# Altium PCB OctopusPB_r0101.PcbDoc (part 6 of 11)
Units mm, origin at the board's own origin, x right, y up, seen from the top; angles counter-clockwise.
Board outline 318 x 80 mm, 4 copper layers (Top Layer, Layer 1, Layer 2, Bottom Layer), stack 1.567 mm thick; 1067 components, 459 nets, 3580 pads, 4392 vias.
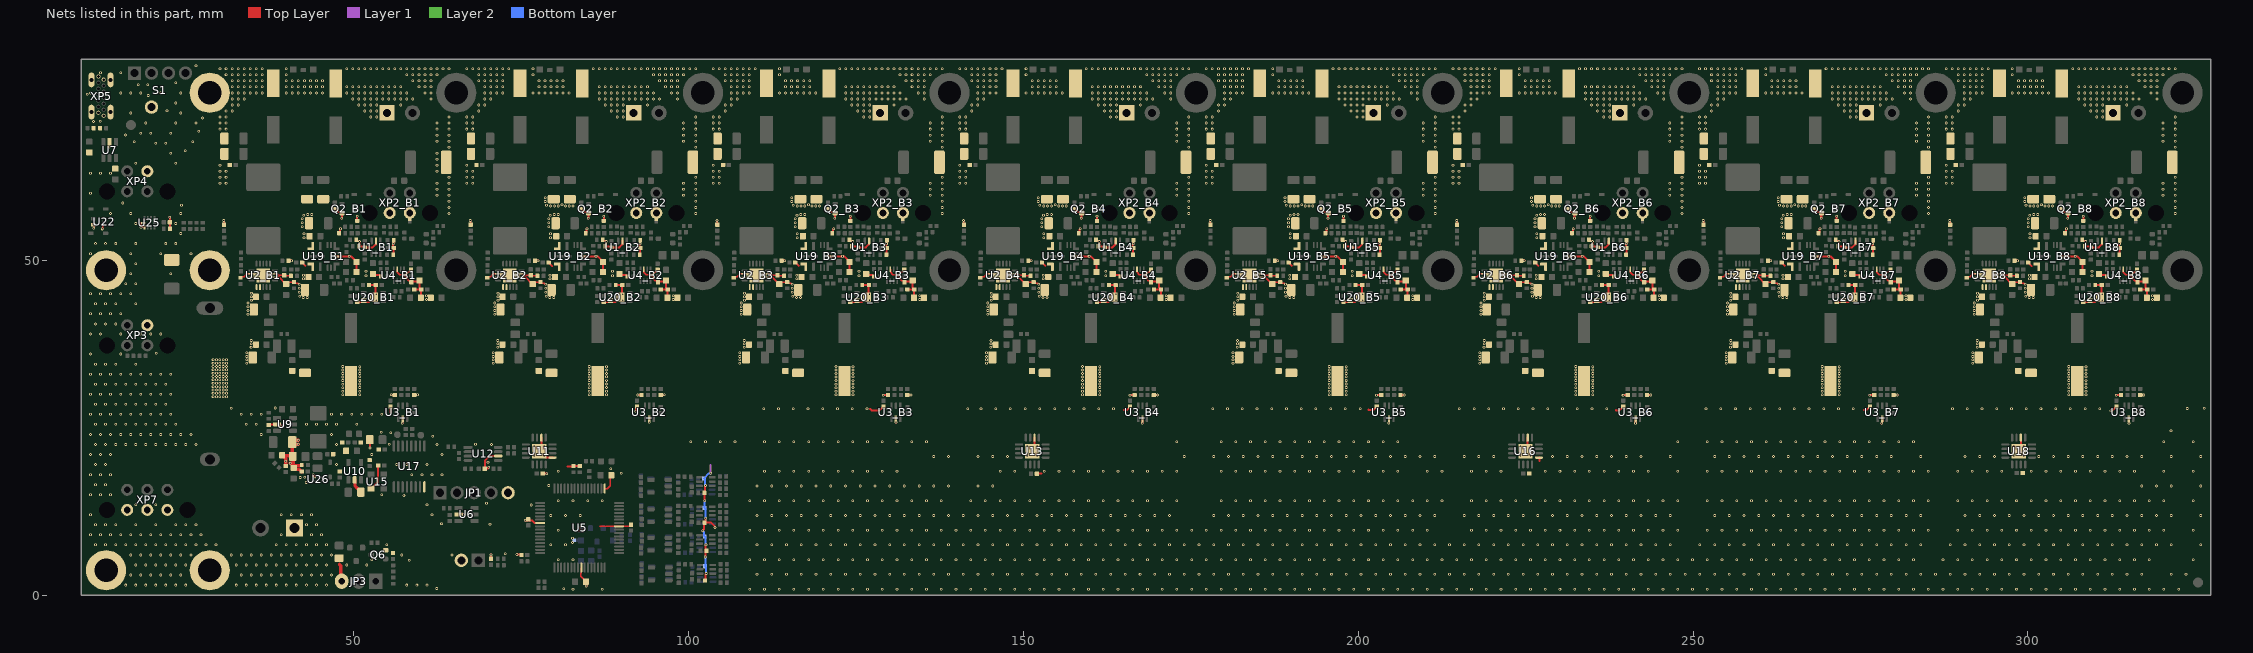
[diagram p8: the nets of this part, all layers, seen from the top]

## Via types
v1: diameter 0.4, hole 0.2, Top Layer to Bottom Layer, tented both sides, 4332 vias
v2: diameter 0.5, hole 0.2, Top Layer to Bottom Layer, tented both sides, 59 vias
v3: diameter 0.4, hole 0.2, Top Layer to Bottom Layer, 1 vias

## Nets (pads, with @x,y where several pads share a name; then routed paths per layer and width w, separated by ;. In a path a pad name is that pad's centre, name@x,y a point inside that pad or via, vN(x,y) a via of type N, cw(c..) or ccw(c..) an arc to the next point about the centre after c; other vN are vias at no path point) (continued)
DGND: C3_B1.2 C3_B2.2 C3_B3.2 C3_B4.2 C3_B5.2 C3_B6.2 C3_B7.2 C3_B8.2 C4_B1.2 C4_B2.2 C4_B3.2 C4_B4.2 C4_B5.2 C4_B6.2 C4_B7.2 C4_B8.2 C5_B1.2 C5_B2.2 C5_B3.2 C5_B4.2 C5_B5.2 C5_B6.2 C5_B7.2 C5_B8.2 C6_B1.2 C6_B2.2 C6_B3.2 C6_B4.2 C6_B5.2 C6_B6.2 C6_B7.2 C6_B8.2 C7_B1.2 C7_B2.2 C7_B3.2 C7_B4.2 C7_B5.2 C7_B6.2 C7_B7.2 C7_B8.2 C8_B1.2 C8_B2.2 C8_B3.2 C8_B4.2 C8_B5.2 C8_B6.2 C8_B7.2 C8_B8.2 C9_B1.2 C9_B2.2 C9_B3.2 C9_B4.2 C9_B5.2 C9_B6.2 C9_B7.2 C9_B8.2 C10_B1.2 C10_B2.2 C10_B3.2 C10_B4.2 C10_B5.2 C10_B6.2 C10_B7.2 C10_B8.2 C11_B1.2 C11_B2.2 C11_B3.2 C11_B4.2 C11_B5.2 C11_B6.2 C11_B7.2 C11_B8.2 C13_B1.2 C13_B2.2 C13_B3.2 C13_B4.2 C13_B5.2 C13_B6.2 C13_B7.2 C13_B8.2 C14_B1.2 C14_B2.2 C14_B3.2 C14_B4.2 C14_B5.2 C14_B6.2 C14_B7.2 C14_B8.2 C15_B1.2 C15_B2.2 C15_B3.2 C15_B4.2 C15_B5.2 C15_B6.2 C15_B7.2 C15_B8.2 C16_B1.2 C16_B2.2 C16_B3.2 C16_B4.2 C16_B5.2 C16_B6.2 C16_B7.2 C16_B8.2 C17_B1.2 C17_B2.2 C17_B3.2 C17_B4.2 C17_B5.2 C17_B6.2 C17_B7.2 C17_B8.2 C18_B1.2 C18_B2.2 C18_B3.2 C18_B4.2 C18_B5.2 C18_B6.2 C18_B7.2 C18_B8.2 C19_B1.2 C19_B2.2 C19_B3.2 C19_B4.2 C19_B5.2 C19_B6.2 C19_B7.2 C19_B8.2 C20_B1.2 C20_B2.2 C20_B3.2 C20_B4.2 C20_B5.2 C20_B6.2 C20_B7.2 C20_B8.2 C23_B1.2 C23_B2.2 C23_B3.2 C23_B4.2 C23_B5.2 C23_B6.2 C23_B7.2 C23_B8.2 C25_B1.2 C25_B2.2 C25_B3.2 C25_B4.2 C25_B5.2 C25_B6.2 C25_B7.2 C25_B8.2 C26_B1.2 C26_B2.2 C26_B3.2 C26_B4.2 C26_B5.2 C26_B6.2 C26_B7.2 C26_B8.2 C27_B1.2 C27_B2.2 C27_B3.2 C27_B4.2 C27_B5.2 C27_B6.2 C27_B7.2 C27_B8.2 C28_B1.2 C28_B2.2 C28_B3.2 C28_B4.2 C28_B5.2 C28_B6.2 C28_B7.2 C28_B8.2 C29_B1.2 C29_B2.2 C29_B3.2 C29_B4.2 C29_B5.2 C29_B6.2 C29_B7.2 C29_B8.2 C30_B1.2 C30_B2.2 C30_B3.2 C30_B4.2 C30_B5.2 C30_B6.2 C30_B7.2 C30_B8.2 C31_B1.2 C31_B2.2 C31_B3.2 C31_B4.2 C31_B5.2 C31_B6.2 C31_B7.2 C31_B8.2 C32_B1.2 C32_B2.2 C32_B3.2 C32_B4.2 C32_B5.2 C32_B6.2 C32_B7.2 C32_B8.2 C33_B1.2 C33_B2.2 C33_B3.2 C33_B4.2 C33_B5.2 C33_B6.2 C33_B7.2 C33_B8.2 C34_B1.2 C34_B2.2 C34_B3.2 C34_B4.2 C34_B5.2 C34_B6.2 C34_B7.2 C34_B8.2 C35_B1.2 C35_B2.2 C35_B3.2 C35_B4.2 C35_B5.2 C35_B6.2 C35_B7.2 C35_B8.2 C36.2 C37.2 C38.2 C39.2 C40.2 C41.2 C42.2 C49.2 C50.2 C51.2 C52.2 C53.2 C54.2 C55.2 C56.2 C57.2 C59.2 C60.2 C61.2 C62.2 C63.2 C64.2 C65.2 C66.2 C67_B1.2 C67_B2.2 C67_B3.2 C67_B4.2 C67_B5.2 C67_B6.2 C67_B7.2 C67_B8.2 C68_B1.2 C68_B2.2 C68_B3.2 C68_B4.2 C68_B5.2 C68_B6.2 C68_B7.2 C68_B8.2 C69_B1.2 C69_B2.2 C69_B3.2 C69_B4.2 C69_B5.2 C69_B6.2 C69_B7.2 C69_B8.2 C72_B1.2 C72_B2.2 C72_B3.2 C72_B4.2 C72_B5.2 C72_B6.2 C72_B7.2 C72_B8.2 C73.2 C74_B1.1 C74_B2.1 C74_B3.1 C74_B4.1 C74_B5.1 C74_B6.1 C74_B7.1 C74_B8.1 C75.2 C76.2 C77_B1.2 C77_B2.2 C77_B3.2 C77_B4.2 C77_B5.2 C77_B6.2 C77_B7.2 C77_B8.2 C83.2 D4.2 JP1.5 JP2.2 JP3.3 MH2.0 MH3.0 MH5.0 MH6.0 MH7.0 Q2_B1.2 Q2_B2.2 Q2_B3.2 Q2_B4.2 Q2_B5.2 Q2_B6.2 Q2_B7.2 Q2_B8.2 Q6.2 R3_B1.2 R3_B2.2 R3_B3.2 R3_B4.2 R3_B5.2 R3_B6.2 R3_B7.2 R3_B8.2 R9_B1.1 R9_B2.1 R9_B3.1 R9_B4.1 R9_B5.1 R9_B6.1 R9_B7.1 R9_B8.1 R11_B1.1 R11_B2.1 R11_B3.1 R11_B4.1 R11_B5.1 R11_B6.1 R11_B7.1 R11_B8.1 R13_B1.2 R13_B2.2 R13_B3.2 R13_B4.2 R13_B5.2 R13_B6.2 R13_B7.2 R13_B8.2 R15_B1.1 R15_B2.1 R15_B3.1 R15_B4.1 R15_B5.1 R15_B6.1 R15_B7.1 R15_B8.1 R16_B1.1 R16_B2.1 R16_B3.1 R16_B4.1 R16_B5.1 R16_B6.1 R16_B7.1 R16_B8.1 R17.1 R22_B1.1 R22_B2.1 R22_B3.1 R22_B4.1 R22_B5.1 R22_B6.1 R22_B7.1 R22_B8.1 R26_B1.2 R26_B2.2 R26_B3.2 R26_B4.2 R26_B5.2 R26_B6.2 R26_B7.2 R26_B8.2 R33.2 R37.1 R39.1 R40.1 R45.1 R54.1 R58_B1.2 R58_B2.2 R58_B3.2 R58_B4.2 R58_B5.2 R58_B6.2 R58_B7.2 R58_B8.2 R61_S1.2 R61_S2.2 R61_S3.2 R61_S4.2 R61_S5.2 R61_S6.2 R61_S7.2 R61_S8.2 R64.1 R66_B1.1 R66_B2.1 R66_B3.1 R66_B4.1 R66_B5.1 R66_B6.1 R66_B7.1 R66_B8.1 R67_B1.1 R67_B2.1 R67_B3.1 R67_B4.1 R67_B5.1 R67_B6.1 R67_B7.1 R67_B8.1 R68.1 R69.1 R73.2 R74_B1.2 R74_B2.2 R74_B3.2 R74_B4.2 R74_B5.2 R74_B6.2 R74_B7.2 R74_B8.2 R86.1 R90_B1.1 R90_B2.1 R90_B3.1 R90_B4.1 R90_B5.1 R90_B6.1 R90_B7.1 R90_B8.1 R91_B1.1 R91_B2.1 R91_B3.1 R91_B4.1 R91_B5.1 R91_B6.1 R91_B7.1 R91_B8.1 R95_B1.1 R95_B2.1 R95_B3.1 R95_B4.1 R95_B5.1 R95_B6.1 R95_B7.1 R95_B8.1 R98_B1.1 R98_B2.1 R98_B3.1 R98_B4.1 R98_B5.1 R98_B6.1 R98_B7.1 R98_B8.1 R99_B1.1 R99_B2.1 R99_B3.1 R99_B4.1 R99_B5.1 R99_B6.1 R99_B7.1 R99_B8.1 R103_B1.1 R103_B2.1 R103_B3.1 R103_B4.1 R103_B5.1 R103_B6.1 R103_B7.1 R103_B8.1 S1.C U1_B1.2 U1_B2.2 U1_B3.2 U1_B4.2 U1_B5.2 U1_B6.2 U1_B7.2 U1_B8.2 U2_B1.2 U2_B1.3 U2_B1.15 U2_B2.2 U2_B2.3 U2_B2.15 U2_B3.2 U2_B3.3 U2_B3.15 U2_B4.2 U2_B4.3 U2_B4.15 U2_B5.2 U2_B5.3 U2_B5.15 U2_B6.2 U2_B6.3 U2_B6.15 U2_B7.2 U2_B7.3 U2_B7.15 U2_B8.2 U2_B8.3 U2_B8.15 U3_B1.2 U3_B2.2 U3_B3.2 U3_B4.2 U3_B5.2 U3_B6.2 U3_B7.2 U3_B8.2 U4_B1.3 U4_B2.3 U4_B3.3 U4_B4.3 U4_B5.3 U4_B6.3 U4_B7.3 U4_B8.3 U5.9 U5.25 U5.33 U5.55 U6.2 U7.2 U9.2 U10.2 U11.1 U11.6 U11.17 U12.6 U13.6 U13.17 U15.2 U16.1 U16.6 U16.17 U17.8 U18.6 U18.17 U19_B1.3 U19_B1.9 U19_B1.11 U19_B2.3 U19_B2.9 U19_B2.11 U19_B3.3 U19_B3.9 U19_B3.11 U19_B4.3 U19_B4.9 U19_B4.11 U19_B5.3 U19_B5.9 U19_B5.11 U19_B6.3 U19_B6.9 U19_B6.11 U19_B7.3 U19_B7.9 U19_B7.11 U19_B8.3 U19_B8.9 U19_B8.11 U20_B1.3 U20_B1.4 U20_B1.9 U20_B2.3 U20_B2.4 U20_B2.9 U20_B3.3 U20_B3.4 U20_B3.9 U20_B4.3 U20_B4.4 U20_B4.9 U20_B5.3 U20_B5.4 U20_B5.9 U20_B6.3 U20_B6.4 U20_B6.9 U20_B7.3 U20_B7.4 U20_B7.9 U20_B8.3 U20_B8.4 U20_B8.9 U22.C1 U25.5 U25.6 U26.C1 X1_B1.1 X1_B2.1 X1_B3.1 X1_B4.1 X1_B5.1 X1_B6.1 X1_B7.1 X1_B8.1 X3.2 XP1_B1.1 XP1_B2.1 XP1_B3.1 XP1_B4.1 XP1_B5.1 XP1_B6.1 XP1_B7.1 XP1_B8.1 XP2_B1.3 XP2_B1.4 XP2_B2.3 XP2_B2.4 XP2_B3.3 XP2_B3.4 XP2_B4.3 XP2_B4.4 XP2_B5.3 XP2_B5.4 XP2_B6.3 XP2_B6.4 XP2_B7.3 XP2_B7.4 XP2_B8.3 XP2_B8.4 XP3.2 XP4.2 XP5.A1 XP5.A12 XP5.B1 XP5.B12 XP5.S1 XP5.S2 XP5.S3 XP5.S4 XP6.1 XP7.4 XP7.5 XP7.6 | length 452.9
  Top Layer w0.2: R40.1@11.1,55.295 11.2,55.195 11.2,54.8 v1(11.175,54.775) ; v1(12.425,54.675) 12.463,54.713 12.463,54.788 12.475,54.8 U22.C1@12.475,55.275 ; v1(30.575,55.925) 30.625,55.875 C4_B1.2@30.625,55.305 ; R11_B1.1@33.075,47.38 33.26,47.565 33.64,47.565 34.027,47.952 34.699,47.952 U2_B1.15@34.724,47.977 ; U2_B1.15@38.224,47.977 38.573,47.977 38.801,47.749 ; R15_B1.1@40.597,47.664 40.554,47.707 39.644,47.707 C23_B1.2@39.602,47.749 38.801,47.749 ; v1(41.825,46.4) 41.771,46.4 41.626,46.545 41.235,46.545 R95_B1.1@41.05,46.73 41.027,46.708 40.158,46.708 C67_B1.2@39.875,46.425 39.85,46.425 38.823,47.452 38.574,47.452 38.549,47.477 38.801,47.729 38.801,47.749 ; C25_B1.2@42.29,49.65 42.31,49.65 42.835,49.125 42.85,49.125 ; v1(43.925,17.975) 43.963,17.937 43.963,17.8 44.2,17.564 U26.C1@44.2,17.55 ; U19_B1.3@47.4,50.575 U19_B1.3@47.45,50.525 ; R66_B1.1@50.17,52.94 R66_B1.1@50.355,53.125 ; R74_B1.2@50.305,43.65 R74_B1.2@50.305,43.69 ; R66_B1.1@50.355,53.075 50.355,53.035 50.54,52.85 50.751,52.85 50.798,52.803 v1(50.852,52.803) 50.891,52.764 50.891,52.261 R98_B1.1@50.73,52.1 ; R74_B1.2@50.405,43.65 R74_B1.2@50.505,43.75 ; R74_B1.2@50.555,43.75 U20_B1.4@51.495,43.75 ; C77_B1.2@50.65,48.425 C77_B1.2@50.725,48.5 ; U20_B1.3@51.495,44.225 U20_B1.4@51.495,43.75 ; U20_B1.9@52.95,44.475 52.95,44.425 v1(52.55,44.025) 52.4,43.875 52.35,43.875 52.225,43.75 U20_B1.4@51.52,43.75 ; v1(55.6,29.9) 55.615,29.885 56.11,29.885 R99_B1.1@56.125,29.87 ; U4_B1.3@56.479,48.67 56.504,48.645 56.504,48.196 56.85,47.85 57.419,47.85 ; v1(57.228,25.651) 57.265,25.688 57.265,26.307 U3_B1.2@57.302,26.344 ; C33_B1.2@58.55,48.585 58.55,48.565 58.205,48.22 58.079,48.22 57.709,47.85 57.419,47.85 ; C32_B1.2@58.575,46.71 58.575,46.73 58.365,46.94 58.197,46.94 57.904,47.233 57.904,47.364 57.419,47.85 ; R103_B1.1@59,29.87 59.015,29.885 59.485,29.885 v1(59.5,29.9) ; v1(67.4,55.925) 67.45,55.875 C4_B2.2@67.45,55.305 ; R11_B2.1@69.9,47.38 70.085,47.565 70.465,47.565 70.852,47.952 71.524,47.952 U2_B2.15@71.549,47.977 ; U2_B2.15@75.049,47.977 75.398,47.977 75.626,47.749 ; R15_B2.1@77.422,47.664 77.379,47.707 76.469,47.707 C23_B2.2@76.427,47.749 75.626,47.749 ; v1(78.65,46.4) 78.596,46.4 78.451,46.545 78.06,46.545 R95_B2.1@77.875,46.73 77.853,46.708 76.983,46.708 C67_B2.2@76.7,46.425 76.675,46.425 75.648,47.452 75.399,47.452 75.374,47.477 75.626,47.729 75.626,47.749 ; C25_B2.2@79.115,49.65 79.135,49.65 79.66,49.125 79.675,49.125 ; U5.9@83.991,4.109 83.972,4.09 83.972,3.354 83.891,3.273 83.891,2.784 84.65,2.025 C41.2@84.65,2 ; U19_B2.3@84.225,50.575 U19_B2.3@84.275,50.525 ; 86.7,10.2 86.759,10.259 U5.25@89.616,10.259 89.622,10.265 91.145,10.265 91.395,10.515 C42.2@91.5,10.515 ; R66_B2.1@86.995,52.94 R66_B2.1@87.18,53.125 ; R74_B2.2@87.13,43.65 R74_B2.2@87.13,43.69 ; R74_B2.2@87.23,43.65 R74_B2.2@87.33,43.75 ; R66_B2.1@87.365,52.9 v1@87.576,52.9 ; R74_B2.2@87.38,43.75 U20_B2.4@88.32,43.75 ; U5.33@87.466,15.909 87.475,15.9 87.875,15.9 88.29,16.315 88.29,17.44 C40.2@88.55,17.7 ; C77_B2.2@87.475,48.425 C77_B2.2@87.55,48.5 ; R98_B2.1@87.716,52.311 v1@87.716,52.814 ; U20_B2.3@88.32,44.225 U20_B2.4@88.32,43.75 ; U20_B2.9@89.775,44.475 89.775,44.425 v1(89.375,44.025) 89.225,43.875 89.175,43.875 89.05,43.75 U20_B2.4@88.345,43.75 ; U4_B2.3@93.304,48.67 93.329,48.645 93.329,48.196 93.675,47.85 94.244,47.85 ; U3_B2.2@94.127,26.344 U3_B2.2@94.202,26.419 ; C33_B2.2@95.375,48.585 95.375,48.565 95.03,48.22 94.904,48.22 94.534,47.85 94.244,47.85 ; C32_B2.2@95.4,46.71 95.4,46.73 95.19,46.94 95.022,46.94 94.729,47.233 94.729,47.364 94.244,47.85 ; v1(104.225,55.925) 104.275,55.875 C4_B3.2@104.275,55.305 ; R11_B3.1@106.725,47.38 106.91,47.565 107.29,47.565 107.677,47.952 108.349,47.952 U2_B3.15@108.374,47.977 ; U2_B3.15@111.874,47.977 112.223,47.977 112.451,47.749 ; R15_B3.1@114.247,47.664 114.204,47.707 113.294,47.707 C23_B3.2@113.252,47.749 112.451,47.749 ; v1(115.475,46.4) 115.421,46.4 115.276,46.545 114.885,46.545 R95_B3.1@114.7,46.73 114.678,46.708 113.808,46.708 C67_B3.2@113.525,46.425 113.5,46.425 112.473,47.452 112.224,47.452 112.199,47.477 112.451,47.729 112.451,47.749 ; C25_B3.2@115.94,49.65 115.96,49.65 116.485,49.125 116.5,49.125 ; U19_B3.3@121.05,50.575 U19_B3.3@121.1,50.525 ; R66_B3.1@123.82,52.94 R66_B3.1@124.005,53.125 ; R74_B3.2@123.955,43.65 R74_B3.2@123.955,43.69 ; R74_B3.2@124.055,43.65 R74_B3.2@124.155,43.75 ; R66_B3.1@124.19,52.9 v1@124.401,52.9 ; R74_B3.2@124.205,43.75 U20_B3.4@125.145,43.75 ; C77_B3.2@124.3,48.425 C77_B3.2@124.375,48.5 ; R98_B3.1@124.541,52.311 v1@124.541,52.814 ; U20_B3.3@125.145,44.225 U20_B3.4@125.145,43.75 ; U20_B3.9@126.6,44.475 126.6,44.425 v1(126.2,44.025) 126.05,43.875 126,43.875 125.875,43.75 U20_B3.4@125.17,43.75 ; U4_B3.3@130.129,48.67 130.154,48.645 130.154,48.196 130.5,47.85 131.069,47.85 ; C33_B3.2@132.2,48.585 132.2,48.565 131.855,48.22 131.729,48.22 131.359,47.85 131.069,47.85 ; C32_B3.2@132.225,46.71 132.225,46.73 132.015,46.94 131.847,46.94 131.554,47.233 131.554,47.364 131.069,47.85 ; v1(141.05,55.925) 141.1,55.875 C4_B4.2@141.1,55.305 ; R11_B4.1@143.55,47.38 143.735,47.565 144.115,47.565 144.502,47.952 145.174,47.952 U2_B4.15@145.199,47.977 ; U2_B4.15@148.699,47.977 149.048,47.977 149.276,47.749 ; R15_B4.1@151.072,47.664 151.029,47.707 150.119,47.707 C23_B4.2@150.077,47.749 149.276,47.749 ; v1(152.3,46.4) 152.246,46.4 152.101,46.545 151.71,46.545 R95_B4.1@151.525,46.73 151.503,46.708 150.633,46.708 C67_B4.2@150.35,46.425 150.325,46.425 149.298,47.452 149.049,47.452 149.024,47.477 149.276,47.729 149.276,47.749 ; C25_B4.2@152.765,49.65 152.785,49.65 153.31,49.125 153.325,49.125 ; U19_B4.3@157.875,50.575 U19_B4.3@157.925,50.525 ; R66_B4.1@160.645,52.94 R66_B4.1@160.83,53.125 ; R74_B4.2@160.78,43.65 R74_B4.2@160.78,43.69 ; R74_B4.2@160.88,43.65 R74_B4.2@160.98,43.75 ; R66_B4.1@161.015,52.9 v1@161.226,52.9 ; R74_B4.2@161.03,43.75 U20_B4.4@161.97,43.75 ; C77_B4.2@161.125,48.425 C77_B4.2@161.2,48.5 ; R98_B4.1@161.366,52.311 v1@161.366,52.814 ; U20_B4.3@161.97,44.225 U20_B4.4@161.97,43.75 ; U20_B4.9@163.425,44.475 163.425,44.425 v1(163.025,44.025) 162.875,43.875 162.825,43.875 162.7,43.75 U20_B4.4@161.995,43.75 ; U4_B4.3@166.954,48.67 166.979,48.645 166.979,48.196 167.325,47.85 167.894,47.85 ; C33_B4.2@169.025,48.585 169.025,48.565 168.68,48.22 168.554,48.22 168.184,47.85 167.894,47.85 ; C32_B4.2@169.05,46.71 169.05,46.73 168.84,46.94 168.672,46.94 168.379,47.233 168.379,47.364 167.894,47.85 ; v1(177.875,55.925) 177.925,55.875 C4_B5.2@177.925,55.305 ; R11_B5.1@180.375,47.38 180.56,47.565 180.94,47.565 181.327,47.952 181.999,47.952 U2_B5.15@182.024,47.977 ; U2_B5.15@185.524,47.977 185.873,47.977 186.101,47.749 ; R15_B5.1@187.897,47.664 187.854,47.707 186.944,47.707 C23_B5.2@186.902,47.749 186.101,47.749 ; v1(189.125,46.4) 189.071,46.4 188.926,46.545 188.535,46.545 R95_B5.1@188.35,46.73 188.328,46.708 187.458,46.708 C67_B5.2@187.175,46.425 187.15,46.425 186.123,47.452 185.874,47.452 185.849,47.477 186.101,47.729 186.101,47.749 ; C25_B5.2@189.59,49.65 189.61,49.65 190.135,49.125 190.15,49.125 ; U19_B5.3@194.7,50.575 U19_B5.3@194.75,50.525 ; R66_B5.1@197.47,52.94 R66_B5.1@197.655,53.125 ; R74_B5.2@197.605,43.65 R74_B5.2@197.605,43.69 ; R74_B5.2@197.705,43.65 R74_B5.2@197.805,43.75 ; R66_B5.1@197.84,52.85 v1@198.051,52.85 ; R74_B5.2@197.855,43.75 U20_B5.4@198.795,43.75 ; C77_B5.2@197.95,48.425 C77_B5.2@198.025,48.5 ; R98_B5.1@198.191,52.261 v1@198.191,52.764 ; U20_B5.3@198.795,44.225 U20_B5.4@198.795,43.75 ; U20_B5.9@200.25,44.475 200.25,44.425 v1(199.85,44.025) 199.7,43.875 199.65,43.875 199.525,43.75 U20_B5.4@198.82,43.75 ; U4_B5.3@203.779,48.67 203.804,48.645 203.804,48.196 204.15,47.85 204.719,47.85 ; C33_B5.2@205.85,48.585 205.85,48.565 205.505,48.22 205.379,48.22 205.009,47.85 204.719,47.85 ; C32_B5.2@205.875,46.71 205.875,46.73 205.665,46.94 205.497,46.94 205.204,47.233 205.204,47.364 204.719,47.85 ; v1(214.7,55.925) 214.75,55.875 C4_B6.2@214.75,55.305 ; R11_B6.1@217.2,47.38 217.385,47.565 217.765,47.565 218.152,47.952 218.824,47.952 U2_B6.15@218.849,47.977 ; U2_B6.15@222.349,47.977 222.698,47.977 222.926,47.749 ; R15_B6.1@224.722,47.664 224.679,47.707 223.769,47.707 C23_B6.2@223.727,47.749 222.926,47.749 ; v1(225.95,46.4) 225.896,46.4 225.751,46.545 225.36,46.545 R95_B6.1@225.175,46.73 225.153,46.708 224.283,46.708 C67_B6.2@224,46.425 223.975,46.425 222.948,47.452 222.699,47.452 222.674,47.477 222.926,47.729 222.926,47.749 ; C25_B6.2@226.415,49.65 226.435,49.65 226.96,49.125 226.975,49.125 ; U19_B6.3@231.525,50.575 U19_B6.3@231.575,50.525 ; R66_B6.1@234.295,52.94 R66_B6.1@234.48,53.125 ; R74_B6.2@234.43,43.65 R74_B6.2@234.43,43.69 ; R74_B6.2@234.53,43.65 R74_B6.2@234.63,43.75 ; R66_B6.1@234.665,52.85 v1@234.876,52.85 ; R74_B6.2@234.68,43.75 U20_B6.4@235.62,43.75 ; C77_B6.2@234.775,48.425 C77_B6.2@234.85,48.5 ; R98_B6.1@235.016,52.261 v1@235.016,52.764 ; U20_B6.3@235.62,44.225 U20_B6.4@235.62,43.75 ; U20_B6.9@237.075,44.475 237.075,44.425 v1(236.675,44.025) 236.525,43.875 236.475,43.875 236.35,43.75 U20_B6.4@235.645,43.75 ; U4_B6.3@240.604,48.67 240.629,48.645 240.629,48.196 240.975,47.85 241.544,47.85 ; C33_B6.2@242.675,48.585 242.675,48.565 242.33,48.22 242.204,48.22 241.834,47.85 241.544,47.85 ; C32_B6.2@242.7,46.71 242.7,46.73 242.49,46.94 242.322,46.94 242.029,47.233 242.029,47.364 241.544,47.85 ; v1(251.525,55.925) 251.575,55.875 C4_B7.2@251.575,55.305 ; R11_B7.1@254.025,47.38 254.21,47.565 254.59,47.565 254.977,47.952 255.649,47.952 U2_B7.15@255.674,47.977 ; U2_B7.15@259.174,47.977 259.523,47.977 259.751,47.749 ; R15_B7.1@261.547,47.664 261.504,47.707 260.594,47.707 C23_B7.2@260.552,47.749 259.751,47.749 ; v1(262.775,46.4) 262.721,46.4 262.576,46.545 262.185,46.545 R95_B7.1@262,46.73 261.978,46.708 261.108,46.708 C67_B7.2@260.825,46.425 260.8,46.425 259.773,47.452 259.524,47.452 259.499,47.477 259.751,47.729 259.751,47.749 ; C25_B7.2@263.24,49.65 263.26,49.65 263.785,49.125 263.8,49.125 ; U19_B7.3@268.35,50.575 U19_B7.3@268.4,50.525 ; R66_B7.1@271.12,52.94 R66_B7.1@271.305,53.125 ; R74_B7.2@271.255,43.65 R74_B7.2@271.255,43.69 ; R74_B7.2@271.355,43.65 R74_B7.2@271.455,43.75 ; R66_B7.1@271.49,52.9 v1@271.701,52.9 ; R74_B7.2@271.505,43.75 U20_B7.4@272.445,43.75 ; C77_B7.2@271.6,48.425 C77_B7.2@271.675,48.5 ; R98_B7.1@271.841,52.311 v1@271.841,52.814 ; U20_B7.3@272.445,44.225 U20_B7.4@272.445,43.75 ; U20_B7.9@273.9,44.475 273.9,44.425 v1(273.5,44.025) 273.35,43.875 273.3,43.875 273.175,43.75 U20_B7.4@272.47,43.75 ; U4_B7.3@277.429,48.67 277.454,48.645 277.454,48.196 277.8,47.85 278.369,47.85 ; C33_B7.2@279.5,48.585 279.5,48.565 279.155,48.22 279.029,48.22 278.659,47.85 278.369,47.85 ; C32_B7.2@279.525,46.71 279.525,46.73 279.315,46.94 279.147,46.94 278.854,47.233 278.854,47.364 278.369,47.85 ; v1(288.35,55.925) 288.4,55.875 C4_B8.2@288.4,55.305 ; R11_B8.1@290.85,47.38 291.035,47.565 291.415,47.565 291.802,47.952 292.474,47.952 U2_B8.15@292.499,47.977 ; U2_B8.15@295.999,47.977 296.348,47.977 296.576,47.749 ; R15_B8.1@298.372,47.664 298.329,47.707 297.419,47.707 C23_B8.2@297.377,47.749 296.576,47.749 ; v1(299.6,46.4) 299.546,46.4 299.401,46.545 299.01,46.545 R95_B8.1@298.825,46.73 298.803,46.708 297.933,46.708 C67_B8.2@297.65,46.425 297.625,46.425 296.598,47.452 296.349,47.452 296.324,47.477 296.576,47.729 296.576,47.749 ; C25_B8.2@300.065,49.65 300.085,49.65 300.61,49.125 300.625,49.125 ; U19_B8.3@305.175,50.575 U19_B8.3@305.225,50.525 ; R66_B8.1@307.945,52.94 R66_B8.1@308.13,53.125 ; R66_B8.1@308.315,52.9 v1@308.526,52.9 ; R74_B8.2@308.33,43.75 U20_B8.4@309.27,43.75 ; C77_B8.2@308.425,48.425 C77_B8.2@308.5,48.5 ; R98_B8.1@308.666,52.311 v1@308.666,52.814 ; U20_B8.3@309.27,44.225 U20_B8.4@309.27,43.75 ; U20_B8.9@310.725,44.475 310.725,44.425 v1(310.325,44.025) 310.175,43.875 310.125,43.875 310,43.75 309.295,43.75 U20_B8.4@309.27,43.725 U20_B8.4@309.27,43.75 ; U4_B8.3@314.254,48.67 314.279,48.645 314.279,48.196 314.625,47.85 315.194,47.85 ; C33_B8.2@316.325,48.585 316.325,48.565 315.98,48.22 315.854,48.22 315.484,47.85 315.194,47.85 ; C32_B8.2@316.35,46.71 316.35,46.73 316.14,46.94 315.972,46.94 315.679,47.233 315.679,47.364 315.194,47.85 ; U20_B1.4@51.495,43.75 U20_B1.4@51.52,43.75 ; U20_B1.4@51.495,43.75 U20_B1.4@51.495,43.725 U20_B1.4@51.52,43.75 ; U20_B2.4@88.32,43.75 U20_B2.4@88.345,43.75 ; U20_B2.4@88.32,43.75 U20_B2.4@88.32,43.725 U20_B2.4@88.345,43.75 ; U20_B3.4@125.145,43.75 U20_B3.4@125.17,43.75 ; U20_B3.4@125.145,43.75 U20_B3.4@125.145,43.725 U20_B3.4@125.17,43.75 ; U20_B4.4@161.97,43.75 U20_B4.4@161.995,43.75 ; U20_B4.4@161.97,43.75 U20_B4.4@161.97,43.725 U20_B4.4@161.995,43.75 ; U20_B5.4@198.795,43.75 U20_B5.4@198.82,43.75 ; U20_B5.4@198.795,43.75 U20_B5.4@198.795,43.725 U20_B5.4@198.82,43.75 ; U20_B6.4@235.62,43.75 U20_B6.4@235.645,43.75 ; U20_B6.4@235.62,43.75 U20_B6.4@235.62,43.725 U20_B6.4@235.645,43.75 ; U20_B7.4@272.445,43.75 U20_B7.4@272.47,43.75 ; U20_B7.4@272.445,43.75 U20_B7.4@272.445,43.725 U20_B7.4@272.47,43.75
  Top Layer w0.3: v1(13.5,66.9) 13.513,66.913 13.513,67.637 U7.2@13.525,67.65 ; U25.5@18.2,55.55 v1(18.2,54.925) 18.7,54.925 U25.6@18.7,54.9 ; v1(22.5,56.425) 22.515,56.41 C83.2@22.515,55.675 22.515,54.715 R17.1@22.53,54.7 ; R45.1@37.3,25.385 37.345,25.43 38.48,25.43 U9.2@38.525,25.475 38.692,25.308 39.392,25.308 v1(39.425,25.275) ; R91_B1.1@40.23,49.925 v1(40.675,49.925) ; R16_B1.1@47.15,57.695 47.19,57.695 47.65,57.235 48.04,57.235 Q2_B1.2@48.225,57.05 48.194,57.019 48.194,56.269 v1(48.175,56.25) ; U19_B1.3@47.4,50.575 49.575,50.575 50.4,49.75 C72_B1.2@50.4,49.725 C77_B1.2@50.4,48.25 ; R13_B1.2@47.795,54.05 47.93,54.185 47.93,54.603 48.002,54.676 v1(48.002,54.703) ; R90_B1.1@50.5,55.88 v1(50.5,56.575) ; R98_B1.1@50.73,52.1 50.808,52.022 51.572,52.022 R22_B1.1@51.65,51.945 ; R22_B1.1@51.67,51.925 52.819,51.925 53.275,52.381 53.275,52.9 U1_B1.2@53.3,52.925 ; R58_B1.2@52.28,46.3 52.293,46.288 C74_B1.1@53.225,46.288 ; C61.2@52.375,23.2 52.375,21.975 v1(52.4,21.95) ; U15.2@52.55,15.875 52.6,15.875 53.6,16.875 53.6,19.315 C62.2@53.635,19.35 ; C26_B1.2@52.85,47.95 53.025,47.775 R26_B1.2@53.885,47.775 ; U20_B1.9@53.225,44.75 C74_B1.1@53.225,46.288 ; C74_B1.1@53.28,46.275 53.267,46.288 C74_B1.1@53.225,46.288 ; 55.45,27.275 C20_B1.2@55.45,28.16 ; R3_B1.2@55.88,50.725 55.91,50.755 C3_B1.2@55.91,51.73 ; C3_B1.2@55.9,51.75 55.91,51.74 C3_B1.2@55.91,51.73 ; v1@55.9,52.475 55.9,52.945 R67_B1.1@55.955,53 ; v1@55.938,52.437 v1(55.9,52.437) 55.844,52.381 55.844,51.796 C3_B1.2@55.91,51.73 ; C32_B1.2@58.575,46.71 58.708,46.842 59.668,46.842 C31_B1.2@59.8,46.975 59.8,45.91 59.88,45.83 59.88,45.81 C28_B1.2@60.04,45.65 ; C35_B1.2@59.015,45.65 C28_B1.2@60.04,45.65 ; C34_B1.2@60,44.4 60.03,44.43 60.03,45.62 C28_B1.2@60.06,45.65 C28_B1.2@60.04,45.65 ; U6.2@65.625,12.025 65.65,12 v1(66.375,12) ; v1(70.15,19.075) 70.15,19.051 69.974,18.875 69.565,18.875 C63.2@69.549,18.859 69.549,20.074 70.225,20.75 U12.6@71.55,20.75 ; C38.2@70.47,5.405 70.47,6.02 v1(70.475,6.025) ; v1(74.35,6.05) 74.96,6.05 C37.2@75.035,5.975 ; v1(75.579,11.151) 75.604,11.125 75.89,11.125 C39.2@76.05,11.285 ; C39.2@76.05,11.29 C39.2@76.05,11.285 ; R91_B2.1@77.055,49.925 v1(77.5,49.925) ; U5.55@77.816,10.759 77.009,10.759 76.658,11.11 76.21,11.11 76.05,11.27 C39.2@76.05,11.285 ; U11.6@78,23.5 78,21.825 v2(77.675,21.5) v2(78.425,20.75) 78.64,20.535 79.665,20.535 U11.1@79.675,20.525 ; C57.2@78.215,18.15 78.24,18.125 v1(78.825,18.125) ; 81.9,19.2 82.925,19.2 82.975,19.25 R69.1@83.75,19.25 ; R16_B2.1@83.975,57.695 84.015,57.695 84.475,57.235 84.865,57.235 Q2_B2.2@85.05,57.05 85.019,57.019 85.019,56.269 v1(85,56.25) ; U19_B2.3@84.225,50.575 86.4,50.575 87.225,49.75 C72_B2.2@87.225,49.725 C77_B2.2@87.225,48.25 ; R13_B2.2@84.62,54.05 84.755,54.185 84.755,54.603 84.827,54.676 v1(84.827,54.703) ; C41.2@84.65,2 84.725,1.925 v1(84.725,1.35) ; R90_B2.1@87.325,55.88 v1(87.325,56.575) ; R98_B2.1@87.555,52.1 87.633,52.022 88.397,52.022 R22_B2.1@88.475,51.945 ; R22_B2.1@88.495,51.925 89.644,51.925 90.1,52.381 90.1,52.9 U1_B2.2@90.125,52.925 ; R58_B2.2@89.105,46.3 89.118,46.288 C74_B2.1@90.05,46.288 ; C26_B2.2@89.675,47.95 89.85,47.775 R26_B2.2@90.71,47.775 ; U20_B2.9@90.05,44.75 C74_B2.1@90.05,46.288 ; C74_B2.1@90.105,46.275 90.092,46.288 C74_B2.1@90.05,46.288 ; v1(92.1,27.45) 92.1,27.475 92.15,27.525 92.15,28.035 C20_B2.2@92.275,28.16 ; v1(92.4,29.875) 92.945,29.875 R99_B2.1@92.95,29.87 ; R3_B2.2@92.705,50.725 92.735,50.755 C3_B2.2@92.735,51.73 ; C3_B2.2@92.725,51.75 92.735,51.74 C3_B2.2@92.735,51.73 ; v1@92.725,52.475 92.725,52.945 R67_B2.1@92.78,53 ; v1@92.763,52.437 v1(92.725,52.437) 92.669,52.381 92.669,51.796 C3_B2.2@92.735,51.73 ; C32_B2.2@95.4,46.71 95.533,46.842 96.493,46.842 C31_B2.2@96.625,46.975 96.625,45.91 96.705,45.83 96.705,45.81 C28_B2.2@96.865,45.65 ; R103_B2.1@95.825,29.87 95.8,29.845 95.845,29.8 95.945,29.9 v1(96.35,29.9) ; C35_B2.2@95.84,45.65 C28_B2.2@96.865,45.65 ; C34_B2.2@96.825,44.4 96.855,44.43 96.855,45.62 C28_B2.2@96.885,45.65 C28_B2.2@96.865,45.65 ; v1(102.08,9.575) 102.08,9.603 102.28,9.803 102.28,10.7 R61_S3.2@102.38,10.8 ; R61_S1.2@102.355,15.26 R61_S1.2@102.375,15.28 ; v1(102.4,14.075) 102.381,14.094 102.381,15.274 R61_S1.2@102.375,15.28 ; R61_S7.2@102.435,2.175 102.542,2.282 102.542,3.14 102.6,3.198 v1@102.6,3.225 ; v1(102.48,5.675) 102.48,6.475 R61_S5.2@102.505,6.5 ; R61_S5.2@102.512,6.657 102.512,7.426 102.585,7.499 v1(102.585,7.526) ; v1(102.517,16.349) 102.517,16.322 102.463,16.268 102.463,15.368 R61_S1.2@102.375,15.28 ; v1(102.542,11.449) 102.542,11.422 102.515,11.395 102.515,10.935 R61_S3.2@102.38,10.8 ; v1(103.925,10.075) 103.906,10.094 103.906,10.244 103.35,10.8 R61_S3.2@102.38,10.8 ; R91_B3.1@113.88,49.925 v1(114.325,49.925) ; R16_B3.1@120.8,57.695 120.84,57.695 121.3,57.235 121.69,57.235 Q2_B3.2@121.875,57.05 121.844,57.019 121.844,56.269 v1(121.825,56.25) ; U19_B3.3@121.05,50.575 123.225,50.575 124.05,49.75 C72_B3.2@124.05,49.725 C77_B3.2@124.05,48.25 ; R13_B3.2@121.445,54.05 121.58,54.185 121.58,54.603 121.652,54.676 v1(121.652,54.703) ; R90_B3.1@124.15,55.88 v1(124.15,56.575) ; R98_B3.1@124.38,52.1 124.458,52.022 125.223,52.022 R22_B3.1@125.3,51.945 ; R22_B3.1@125.32,51.925 126.469,51.925 126.925,52.381 126.925,52.9 U1_B3.2@126.95,52.925 ; R58_B3.2@125.93,46.3 125.943,46.288 C74_B3.1@126.875,46.288 ; C26_B3.2@126.5,47.95 126.675,47.775 R26_B3.2@127.535,47.775 ; U20_B3.9@126.875,44.75 C74_B3.1@126.875,46.288 ; C74_B3.1@126.93,46.275 126.918,46.288 C74_B3.1@126.875,46.288 ; 127.1,27.8 127.325,27.575 128.535,27.575 129.1,28.14 C20_B3.2@129.1,28.16 ; v1(129.075,29.85) R99_B3.1@129.755,29.85 ; R3_B3.2@129.53,50.725 129.56,50.755 C3_B3.2@129.56,51.73 ; C3_B3.2@129.55,51.75 129.56,51.74 C3_B3.2@129.56,51.73 ; v1@129.55,52.475 129.55,52.945 R67_B3.1@129.605,53 ; v1@129.588,52.437 v1(129.55,52.437) 129.494,52.381 129.494,51.796 C3_B3.2@129.56,51.73 ; U3_B3.2@130.952,26.344 130.952,26.019 130.963,26.007 130.963,25.812 v1(130.975,25.8) ; C32_B3.2@132.225,46.71 132.358,46.842 133.318,46.842 C31_B3.2@133.45,46.975 133.45,45.91 133.53,45.83 133.53,45.81 C28_B3.2@133.69,45.65 ; R103_B3.1@132.655,29.875 v1(133.2,29.875) ; C35_B3.2@132.665,45.65 C28_B3.2@133.69,45.65 ; C34_B3.2@133.65,44.4 133.68,44.43 133.68,45.62 C28_B3.2@133.71,45.65 C28_B3.2@133.69,45.65 ; R91_B4.1@150.705,49.925 v1(151.15,49.925) ; v2(151.325,21.5) 151.65,21.825 U13.6@151.65,23.5 ; C59.2@152.005,18.1 152.03,18.125 152.7,18.125 ; R16_B4.1@157.625,57.695 157.665,57.695 158.125,57.235 158.515,57.235 Q2_B4.2@158.7,57.05 158.669,57.019 158.669,56.269 v1(158.65,56.25) ; U19_B4.3@157.875,50.575 160.05,50.575 160.875,49.75 C72_B4.2@160.875,49.725 C77_B4.2@160.875,48.25 ; R13_B4.2@158.27,54.05 158.405,54.185 158.405,54.603 158.477,54.676 v1(158.477,54.703) ; R90_B4.1@160.975,55.88 v1(160.975,56.575) ; R98_B4.1@161.205,52.1 161.283,52.022 162.048,52.022 R22_B4.1@162.125,51.945 ; R22_B4.1@162.145,51.925 163.294,51.925 163.75,52.381 163.75,52.9 U1_B4.2@163.775,52.925 ; R58_B4.2@162.755,46.3 162.768,46.288 C74_B4.1@163.7,46.288 ; C26_B4.2@163.325,47.95 163.5,47.775 R26_B4.2@164.36,47.775 ; U20_B4.9@163.7,44.75 C74_B4.1@163.7,46.288 ; C74_B4.1@163.755,46.275 163.743,46.288 C74_B4.1@163.7,46.288 ; 165.05,27.625 165.41,27.625 165.925,28.14 C20_B4.2@165.925,28.16 ; v1(165.9,29.85) R99_B4.1@166.58,29.85 ; R3_B4.2@166.355,50.725 166.385,50.755 C3_B4.2@166.385,51.73 ; C3_B4.2@166.375,51.75 166.385,51.74 C3_B4.2@166.385,51.73 ; v1@166.375,52.475 166.375,52.945 R67_B4.1@166.43,53 ; v1@166.413,52.437 v1(166.375,52.437) 166.319,52.381 166.319,51.796 C3_B4.2@166.385,51.73 ; v1(167.75,25.675) 167.752,25.677 167.752,26.319 U3_B4.2@167.777,26.344 ; C32_B4.2@169.05,46.71 169.183,46.842 170.143,46.842 C31_B4.2@170.275,46.975 170.275,45.91 170.355,45.83 170.355,45.81 C28_B4.2@170.515,45.65 ; R103_B4.1@169.48,29.875 v1(170.025,29.875) ; C35_B4.2@169.49,45.65 C28_B4.2@170.515,45.65 ; C34_B4.2@170.475,44.4 170.505,44.43 170.505,45.62 C28_B4.2@170.535,45.65 C28_B4.2@170.515,45.65 ; R91_B5.1@187.53,49.925 v1(187.975,49.925) ; R16_B5.1@194.45,57.695 194.49,57.695 194.95,57.235 195.34,57.235 Q2_B5.2@195.525,57.05 195.494,57.019 195.494,56.269 v1(195.475,56.25) ; U19_B5.3@194.7,50.575 196.875,50.575 197.7,49.75 C72_B5.2@197.7,49.725 C77_B5.2@197.7,48.25 ; R13_B5.2@195.095,54.05 195.23,54.185 195.23,54.603 195.302,54.676 v1(195.302,54.703) ; R90_B5.1@197.8,55.88 v1(197.8,56.575) ; R98_B5.1@198.03,52.1 198.108,52.022 198.873,52.022 R22_B5.1@198.95,51.945 ; R22_B5.1@198.97,51.925 200.119,51.925 200.575,52.381 200.575,52.9 U1_B5.2@200.6,52.925 ; R58_B5.2@199.58,46.3 199.593,46.288 C74_B5.1@200.525,46.288 ; C26_B5.2@200.15,47.95 200.325,47.775 R26_B5.2@201.185,47.775 ; U20_B5.9@200.525,44.75 C74_B5.1@200.525,46.288 ; C74_B5.1@200.58,46.275 200.568,46.288 C74_B5.1@200.525,46.288 ; 201.5,27.7 201.575,27.625 202.235,27.625 202.75,28.14 C20_B5.2@202.75,28.16 ; v1(202.725,29.85) R99_B5.1@203.405,29.85 ; R3_B5.2@203.18,50.725 203.21,50.755 C3_B5.2@203.21,51.73 ; C3_B5.2@203.2,51.75 203.21,51.74 C3_B5.2@203.21,51.73 ; v1@203.2,52.475 203.2,52.945 R67_B5.1@203.255,53 ; v1@203.238,52.437 v1(203.2,52.437) 203.144,52.381 203.144,51.796 C3_B5.2@203.21,51.73 ; v1(204.575,25.7) 204.594,25.719 204.594,25.892 204.602,25.9 U3_B5.2@204.602,26.344 ; C32_B5.2@205.875,46.71 206.008,46.842 206.968,46.842 C31_B5.2@207.1,46.975 207.1,45.91 207.18,45.83 207.18,45.81 C28_B5.2@207.34,45.65 ; R103_B5.1@206.305,29.875 v1(206.85,29.875) ; C35_B5.2@206.315,45.65 C28_B5.2@207.34,45.65 ; C34_B5.2@207.3,44.4 207.33,44.43 207.33,45.62 C28_B5.2@207.36,45.65 C28_B5.2@207.34,45.65 ; R91_B6.1@224.355,49.925 v1(224.8,49.925) ; v2(224.975,21.5) 225.3,21.825 U16.6@225.3,23.5 ; U16.1@226.975,20.525 227.077,20.525 227.1,20.502 227.1,20 ; R16_B6.1@231.275,57.695 231.315,57.695 231.775,57.235 232.165,57.235 Q2_B6.2@232.35,57.05 232.319,57.019 232.319,56.269 v1(232.3,56.25) ; U19_B6.3@231.525,50.575 233.7,50.575 234.525,49.75 C72_B6.2@234.525,49.725 C77_B6.2@234.525,48.25 ; R13_B6.2@231.92,54.05 232.055,54.185 232.055,54.603 232.127,54.676 v1(232.127,54.703) ; R90_B6.1@234.625,55.88 v1(234.625,56.575) ; R98_B6.1@234.855,52.1 234.933,52.022 235.698,52.022 R22_B6.1@235.775,51.945 ; R22_B6.1@235.795,51.925 236.944,51.925 237.4,52.381 237.4,52.9 U1_B6.2@237.425,52.925 ; R58_B6.2@236.405,46.3 236.418,46.288 C74_B6.1@237.35,46.288 ; C26_B6.2@236.975,47.95 237.15,47.775 R26_B6.2@238.01,47.775 ; U20_B6.9@237.35,44.75 C74_B6.1@237.35,46.288 ; C74_B6.1@237.405,46.275 237.393,46.288 C74_B6.1@237.35,46.288 ; 238.5,27.6 238.525,27.575 239.01,27.575 239.575,28.14 C20_B6.2@239.575,28.16 ; v1(239.55,29.85) R99_B6.1@240.23,29.85 ; R3_B6.2@240.005,50.725 240.035,50.755 C3_B6.2@240.035,51.73 ; C3_B6.2@240.025,51.75 240.035,51.74 C3_B6.2@240.035,51.73 ; v1@240.025,52.475 240.025,52.945 R67_B6.1@240.08,53 ; v1@240.063,52.437 v1(240.025,52.437) 239.969,52.381 239.969,51.796 C3_B6.2@240.035,51.73 ; v1(241.4,25.675) 241.419,25.694 241.419,25.894 241.425,25.9 241.425,26.342 U3_B6.2@241.427,26.344 ; C32_B6.2@242.7,46.71 242.833,46.842 243.793,46.842 C31_B6.2@243.925,46.975 243.925,45.91 244.005,45.83 244.005,45.81 C28_B6.2@244.165,45.65 ; R103_B6.1@243.13,29.875 v1(243.675,29.875) ; C35_B6.2@243.14,45.65 C28_B6.2@244.165,45.65 ; C34_B6.2@244.125,44.4 244.155,44.43 244.155,45.62 C28_B6.2@244.185,45.65 C28_B6.2@244.165,45.65 ; R91_B7.1@261.18,49.925 v1(261.625,49.925) ; R16_B7.1@268.1,57.695 268.14,57.695 268.6,57.235 268.99,57.235 Q2_B7.2@269.175,57.05 269.144,57.019 269.144,56.269 v1(269.125,56.25) ; U19_B7.3@268.35,50.575 270.525,50.575 271.35,49.75 C72_B7.2@271.35,49.725 C77_B7.2@271.35,48.25 ; R13_B7.2@268.745,54.05 268.88,54.185 268.88,54.603 268.952,54.676 v1(268.952,54.703) ; R90_B7.1@271.45,55.88 v1(271.45,56.575) ; R98_B7.1@271.68,52.1 271.758,52.022 272.523,52.022 R22_B7.1@272.6,51.945 ; R22_B7.1@272.62,51.925 273.769,51.925 274.225,52.381 274.225,52.9 U1_B7.2@274.25,52.925 ; R58_B7.2@273.23,46.3 273.243,46.288 C74_B7.1@274.175,46.288 ; C26_B7.2@273.8,47.95 273.975,47.775 R26_B7.2@274.835,47.775 ; U20_B7.9@274.175,44.75 C74_B7.1@274.175,46.288 ; C74_B7.1@274.23,46.275 274.218,46.288 C74_B7.1@274.175,46.288 ; 275.55,27.65 275.91,27.65 276.4,28.14 C20_B7.2@276.4,28.16 ; v1(276.375,29.85) R99_B7.1@277.055,29.85 ; R3_B7.2@276.83,50.725 276.86,50.755 C3_B7.2@276.86,51.73 ; C3_B7.2@276.85,51.75 276.86,51.74 C3_B7.2@276.86,51.73 ; v1@276.85,52.475 276.85,52.945 R67_B7.1@276.905,53 ; v1@276.888,52.437 v1(276.85,52.437) 276.794,52.381 276.794,51.796 C3_B7.2@276.86,51.73 ; v1(278.175,25.65) 278.194,25.669 278.194,25.84 278.277,25.923 278.277,26.319 U3_B7.2@278.252,26.344 ; C32_B7.2@279.525,46.71 279.658,46.842 280.618,46.842 C31_B7.2@280.75,46.975 280.75,45.91 280.83,45.83 280.83,45.81 C28_B7.2@280.99,45.65 ; R103_B7.1@279.955,29.875 v1(280.5,29.875) ; C35_B7.2@279.965,45.65 C28_B7.2@280.99,45.65 ; C34_B7.2@280.95,44.4 280.98,44.43 280.98,45.62 C28_B7.2@281.01,45.65 C28_B7.2@280.99,45.65 ; R91_B8.1@298.005,49.925 v1(298.45,49.925) ; v2(298.625,21.5) 298.95,21.825 U18.6@298.95,23.5 ; R16_B8.1@304.925,57.695 304.965,57.695 305.425,57.235 305.815,57.235 Q2_B8.2@306,57.05 305.969,57.019 305.969,56.269 v1(305.95,56.25) ; U19_B8.3@305.175,50.575 307.35,50.575 308.175,49.75 C72_B8.2@308.175,49.725 C77_B8.2@308.175,48.25 ; R13_B8.2@305.57,54.05 305.705,54.185 305.705,54.603 305.777,54.676 v1(305.777,54.703) ; R90_B8.1@308.275,55.88 v1(308.275,56.575) ; R98_B8.1@308.505,52.1 308.583,52.022 309.348,52.022 R22_B8.1@309.425,51.945 ; R22_B8.1@309.445,51.925 310.594,51.925 311.05,52.381 311.05,52.9 U1_B8.2@311.075,52.925 ; R58_B8.2@310.055,46.3 310.068,46.288 C74_B8.1@311,46.288 ; C26_B8.2@310.625,47.95 310.8,47.775 R26_B8.2@311.66,47.775 ; U20_B8.9@310.725,44.475 311,44.75 C74_B8.1@311,46.288 ; C74_B8.1@311.055,46.275 311.043,46.288 C74_B8.1@311,46.288 ; v1(312.425,27.5) 312.585,27.5 313.225,28.14 C20_B8.2@313.225,28.16 ; v1(313.2,29.85) 313.88,29.85 R99_B8.1@313.9,29.87 ; R3_B8.2@313.655,50.725 313.685,50.755 C3_B8.2@313.685,51.73 ; C3_B8.2@313.675,51.75 313.685,51.74 C3_B8.2@313.685,51.73 ; v1@313.675,52.475 313.675,52.945 R67_B8.1@313.73,53 ; v1@313.713,52.437 v1(313.675,52.437) 313.619,52.381 313.619,51.796 C3_B8.2@313.685,51.73 ; U3_B8.2@315.077,26.344 315.1,26.321 v1(315.1,25.675) ; C32_B8.2@316.35,46.71 316.483,46.842 317.443,46.842 C31_B8.2@317.575,46.975 317.575,45.91 317.655,45.83 317.655,45.81 C28_B8.2@317.815,45.65 ; R103_B8.1@316.775,29.87 316.78,29.875 v1(317.325,29.875) ; C35_B8.2@316.79,45.65 C28_B8.2@317.815,45.65 ; C34_B8.2@317.775,44.4 317.805,44.43 317.805,45.62 C28_B8.2@317.835,45.65 C28_B8.2@317.815,45.65
  Top Layer w0.5: R86.1@39.825,19.28 v1(39.825,20) 39.825,20.325 39.3,20.85 C76.2@39.3,20.875 39.387,20.787 40.787,20.787 C52.2@40.8,20.775 ; v1(40.5,19.7) 40.525,19.675 40.938,19.675 ; v1(41.675,22.5) 41.65,22.475 41.15,22.475 C49.2@40.8,22.825 ; v1(41.7,23.1) 41.075,23.1 C49.2@40.8,22.825 ; R64.1@42.22,19.425 42.22,19.385 42.185,19.35 41.375,19.35 41.025,19 C75.2@41,19 ; C55.2@42.235,18.425 42.215,18.425 41.84,18.8 41.2,18.8 C75.2@41,19 ; 47.85,4.57 48.018,4.402 48.018,2.242 JP3.3@48.185,2.075 ; U10.2@50.13,17.2 50.18,17.15 50.18,16.32 50.3,16.2 51.05,15.45 C53.2@51.05,15.35 ; C52.2@40.8,20.775 C52.2@40.875,20.7 40.938,20.637 40.938,19.675 ; C52.2@40.8,20.775 C49.2@40.8,22.825 ; 40.938,19.675 40.938,19.062 C75.2@41,19
  Layer 1 w0.3: v1(103.275,18.175) 103.275,19.4
  Layer 2 w0.3: v1(103.925,10.075) v1@103.944,10.094
  Bottom Layer w0.2: R61_S6.2@102.415,8.745 102.415,8.75 R61_S6.2@102.445,8.78 ; R61_S8.2@102.455,4.31 R61_S8.2@102.55,4.215
  Bottom Layer w0.3: v1(102.08,9.575) 102.08,9.57 102.275,9.375 102.275,8.885 R61_S6.2@102.41,8.75 102.415,8.745 102.517,8.642 102.517,7.725 102.566,7.677 102.566,7.545 v1(102.585,7.526) ; v1(102.4,14.075) 102.38,14.055 R61_S4.2@102.38,13 102.488,12.893 102.488,11.563 102.542,11.508 v1(102.542,11.449) ; R61_S8.2@102.455,4.31 102.535,4.39 102.535,5.593 102.48,5.648 v1(102.48,5.675) ; v1(102.517,16.349) 102.517,16.376 102.415,16.478 102.415,17.29 R61_S2.2@102.308,17.398 102.308,17.438 103.026,18.156 103.256,18.156 v1(103.275,18.175) ; R61_S8.2@102.55,4.215 102.581,4.184 102.581,3.244 v1@102.6,3.225